# Altium PCB 191228 PCB.PcbDoc (part 3 of 3)
Units mil, origin at the board's own origin, x right, y up, seen from the top; angles counter-clockwise.
Board outline 5511.83 x 4586.63 mil, 4 copper layers (Top Layer, Int1 (GND), Int2 (PWR), Bottom Layer), stack 53.912 mil thick; 242 components, 136 nets, 757 pads, 363 vias.
Unrouted connection lines stored in the file: 11.
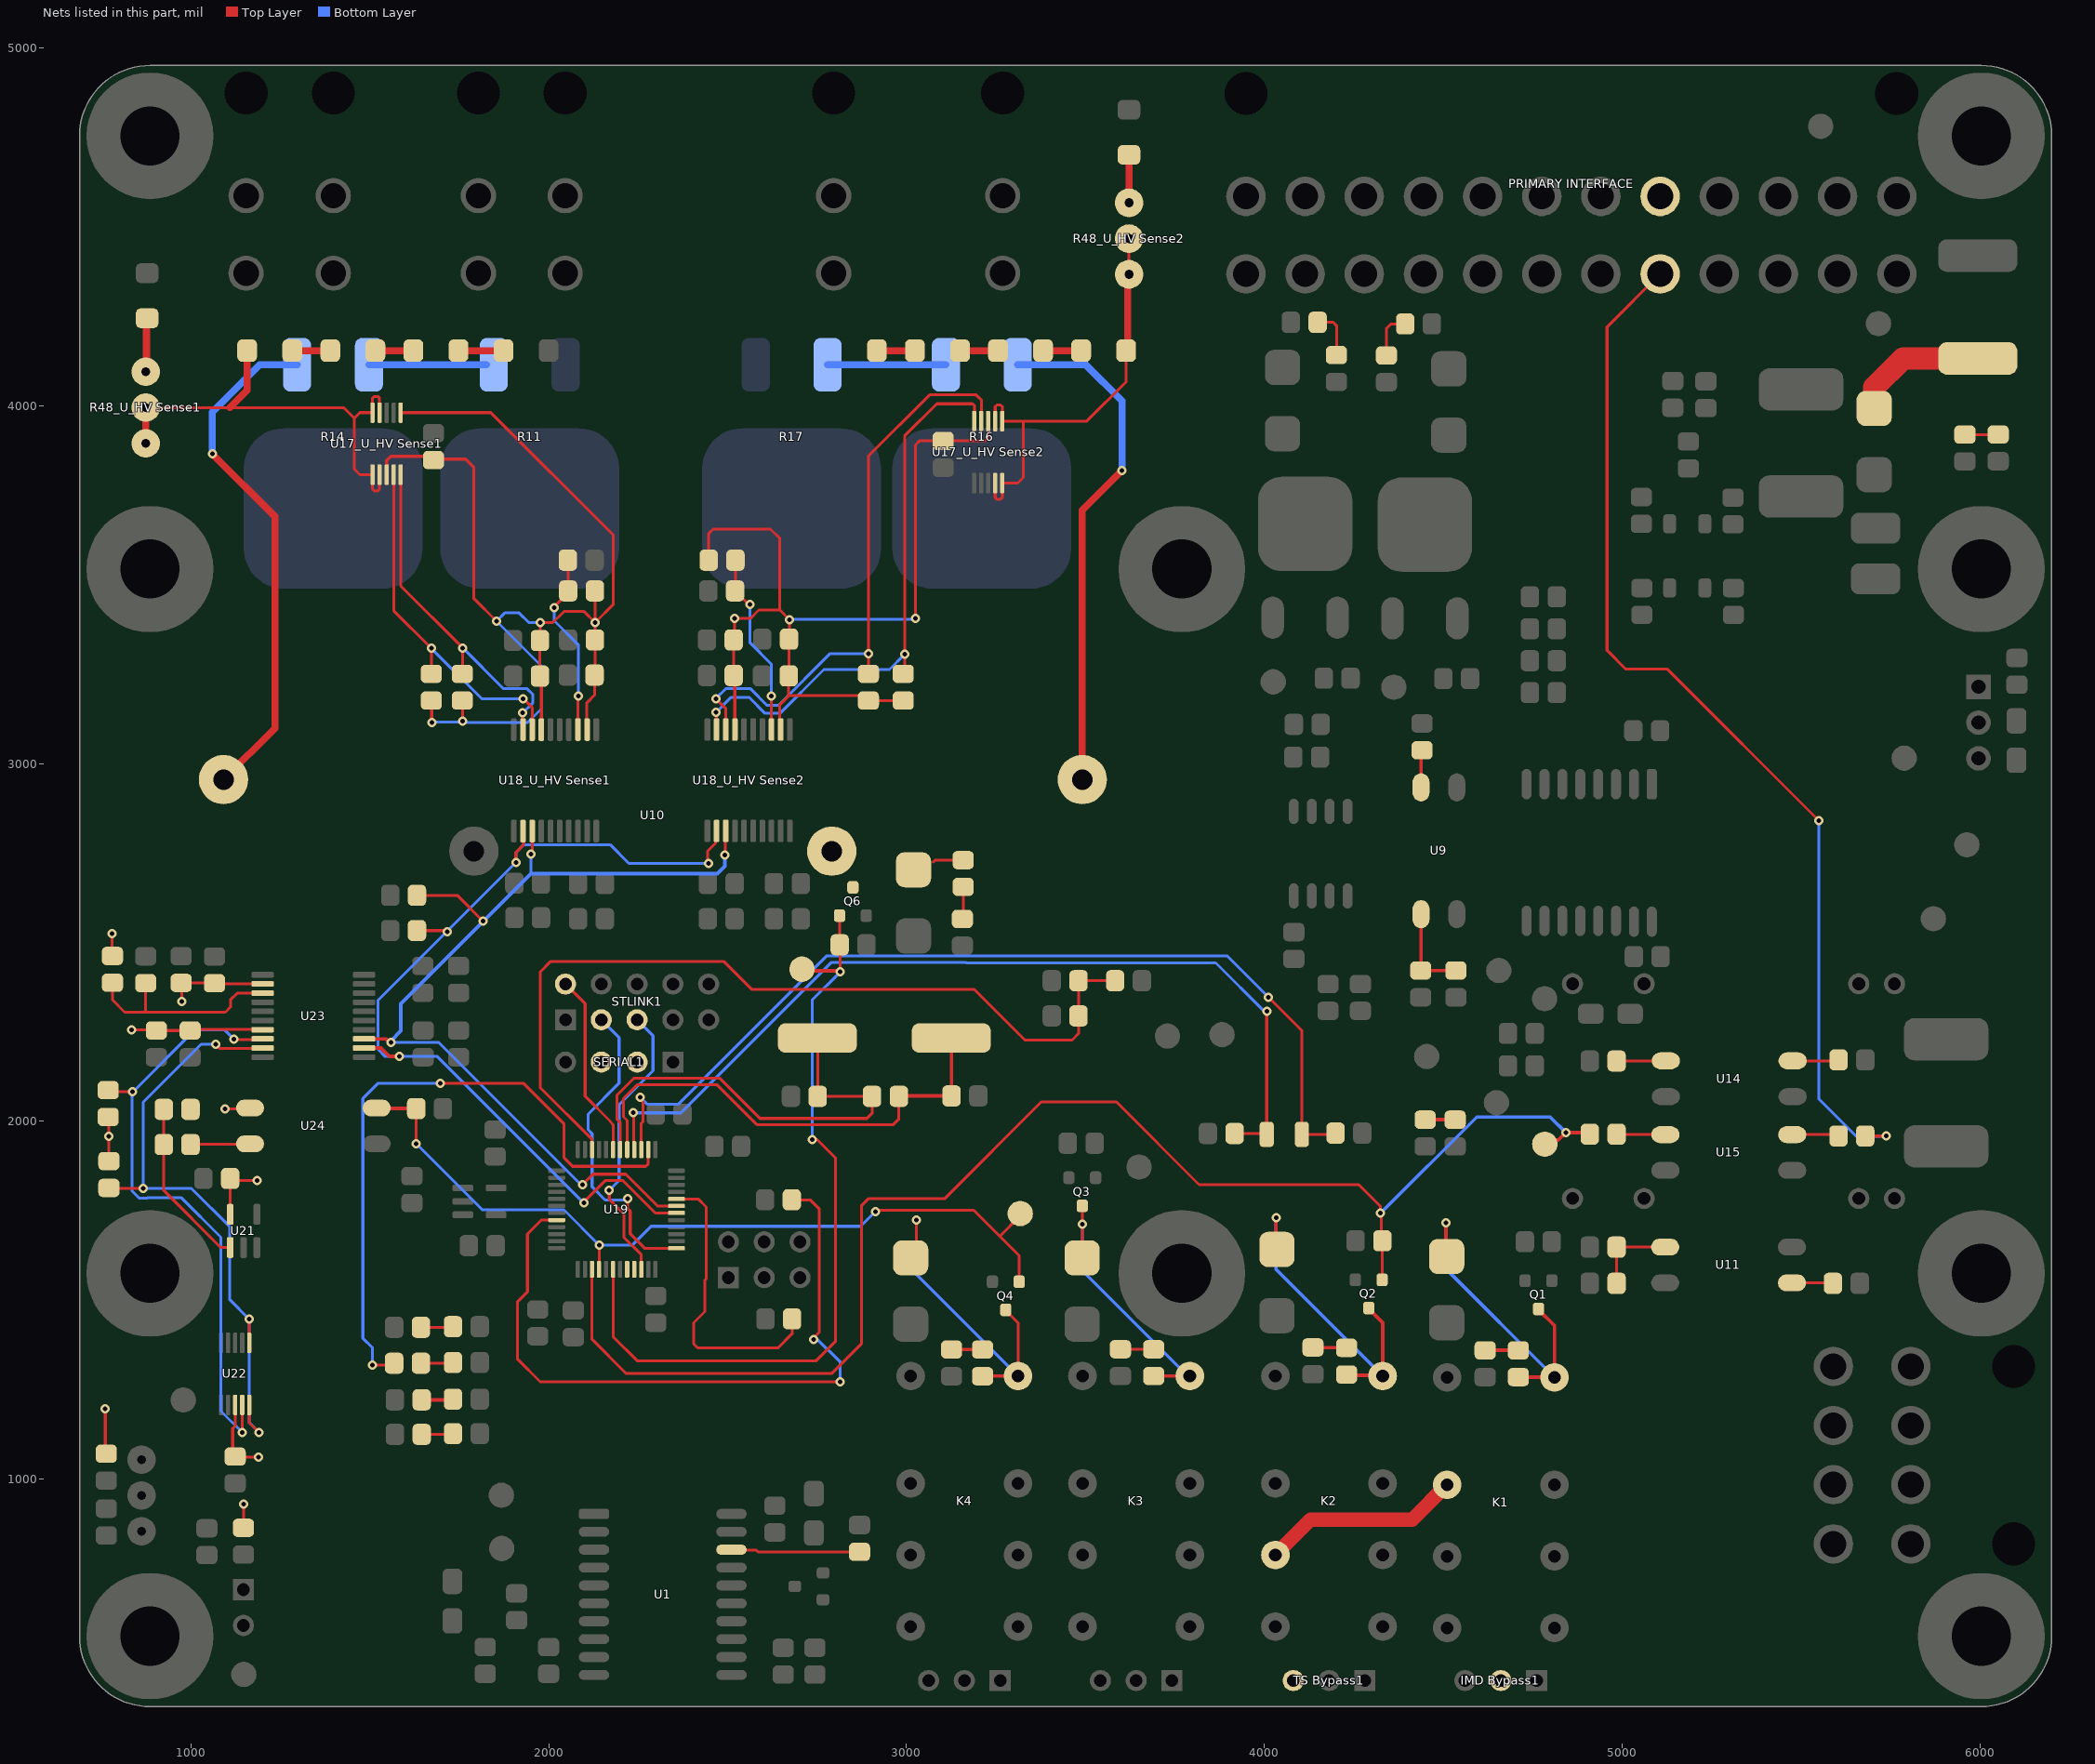
[diagram p5: the nets of this part, all layers, seen from the top]

## Via types
v1: diameter 26, hole 13, Top Layer to Bottom Layer, 363 vias

## Nets (pads, with @x,y where several pads share a name; then routed paths per layer and width w, separated by ;. In a path a pad name is that pad's centre, name@x,y a point inside that pad or via, vN(x,y) a via of type N, cw(c..) or ccw(c..) an arc to the next point about the centre after c; other vN are vias at no path point) (continued)
"NetCAN RX INDC1_K": "CAN RX INDC1.K" R58.2 | length 88.4
  Top Layer w8: R58.2@1645.2,1124.95 1730.69,1124.95 1732.76,1127.02
"NetCAN TX INDC1_K": "CAN TX INDC1.K" R57.2 | length 88.4
  Top Layer w10: R57.2@1645.2,1221.41 1730.69,1221.41 1732.76,1223.47
NetD1_A: D1.A F1.2 | length 383.2
  Top Layer w60: F1.2@5993.11,4132.87 F1.2@5994.09,4131.89
  Top Layer w62.99: D1.A@5704.72,3992.13 5704.72,4051.18 5785.43,4131.89 F1.2@5994.09,4131.89
NetD3_A: D3.A R6.1 | length 139.8
  Top Layer w8: R6.1@4149.04,4232.94 4192.26,4232.94 4202.76,4222.44 4202.76,4142.19 D3.A@4201.71,4141.15
NetD4_A: D4.A D5.K Q6.D U10.3 | length 86
  Top Layer w8: 3074.8,2724.41 3080.23,2729.84 D5.K@3158.51,2729.84
NetD5_A: D5.A R15.1 | length 90.5
  Top Layer w8: R15.1@3156.45,2565.43 3158.51,2567.49 D5.A@3158.51,2655.04
NetD7_A: D7.A R22.1 | length 132.8
  Top Layer w8: D7.A@4341.49,4140.23 4341.49,4215.5 4354.33,4228.35 R22.1@4393.7,4228.35
NetD8_A: D8.A K1.1 Q1.D R27.1 | length 964.6
  Top Layer w10: v1(4507.87,1716.54) 4507.87,1624.17 D8.A@4510,1622.04 ; R27.1@4710,1285 4710.45,1284.55 4810.57,1284.55 K1.1@4811.02,1284.1 4811.02,1428.83 4766.34,1473.5 Q1.D@4766.34,1475.47
  Bottom Layer w10: v1(4507.87,1716.54) 4507.87,1587.25 K1.1@4811.02,1284.1
NetD9_K: D9.K R27.2 | length 92.9
  Top Layer w10: D9.K@4617.1,1359.8 R27.2@4710,1359.8
NetD10_A: D10.A K2.1 Q2.D R32.1 | length 963.6
  Top Layer w10: v1(4033,1730) 4033,1644.17 D10.A@4035.43,1641.73 ; R32.1@4230.03,1292.13 4232.08,1290.08 4328.95,1290.08 K2.1@4331,1288.04 4331,1437.1 4291.96,1476.14 Q2.D@4291.96,1478.11
  Bottom Layer w10: v1(4033,1730) 4033,1586.04 K2.1@4331,1288.04
NetD11_K: D11.K R32.2 | length 94.4
  Top Layer w10: D11.K@4136.03,1367.93 4136.53,1367.43 4229.53,1367.43 R32.2@4230.03,1366.93
NetD12_A: D12.A K3.1 Q3.D R37.1 | length 798.3
  Top Layer w8: D12.A@3491.09,1618.11 3491.24,1618.26 v1(3491.24,1712) Q3.D@3491.24,1763.57 ; R37.1@3691.03,1288.13 3691.12,1288.04 K3.1@3791.91,1288.04
  Bottom Layer w8: v1(3491.24,1712) 3491.24,1582.9 3786.1,1288.04 K3.1@3791.91,1288.04
NetD13_K: D13.K R37.2 | length 93
  Top Layer w8: D13.K@3598.03,1362.93 R37.2@3691.03,1362.93
NetD14_A: D14.A K4.1 Q4.D R42.1 | length 965.4
  Top Layer w8: D14.A@3011.81,1618.11 3027.55,1633.85 v1(3027.55,1724.41) ; R42.1@3212.6,1287.4 3213.24,1288.04 K4.1@3311.89,1288.04 3311.89,1436.66 3277.72,1470.83 Q4.D@3277.72,1472.8
  Bottom Layer w8: v1(3027.55,1724.41) 3027.55,1572.37 K4.1@3311.89,1288.04
NetD15_K: D15.K R42.2 | length 86.6
  Top Layer w8: D15.K@3125.98,1362.2 R42.2@3212.6,1362.2
NetD16_K: D16.K R2.2 | length 93.3
  Top Layer w8: D16.K@5958.03,3918.93 6050.82,3918.93 R2.2@6051.18,3919.29
NetD17_K: D17.K R3.2 | length 83.7
  Top Layer w10: D17.K@4449.85,2004.45 R3.2@4533.51,2004.45
NetD18_K: D18.K R55.2 | length 90.4
  Top Layer w8: R55.2@1643.23,1424.17 1730.69,1424.17 D18.K@1732.76,1426.23
NetD19_K: D19.K R56.2 | length 90.4
  Top Layer w8: R56.2@1643.23,1323.77 1730.69,1323.77 D19.K@1732.76,1325.83
"NetIMD Bypass1_2": "IMD Bypass1.2" "TS Bypass1.3" K1.13 K2.11 | length 561.2
  Top Layer w40: K2.11@4031,788.04 4129.77,886.81 4413.73,886.81 K1.13@4511.02,984.1
NetR1_2: R1.2 U1.18 | length 360.4
  Top Layer w8: U1.18@2510.83,802.68 2512.33,801.18 2580.71,801.18 2585.63,796.26 R1.2@2868.57,796.26
NetR10_2: R10.2 R12.2 U9.3 | length 256.4
  Top Layer w10: U9.3@4438.17,2578.72 4438.17,2422.42 R12.2@4437.01,2421.26 R10.2@4535.43,2421.26
NetR11_1: R11.1 R14.2 | length 328.7
  Bottom Layer w20: R14.2@1498.03,4114.17 R11.1@1826.77,4114.17
NetR13_1: R13.1 U9.2 | length 105
  Top Layer w8: U9.2@4438.17,2933.05 4438.17,3034.15 R13.1@4440.95,3036.93
NetR14_1: R14.1 U10.1 | length 1450.6
  Top Layer w20: v1(1060,3865) 1235,3690 1235,3098.58 U10.1@1091.34,2954.92
  Bottom Layer w20: v1(1060,3865) 1060,3981.26 1192.91,4114.17 R14.1@1297.24,4114.17
NetR16_1: R16.1 R17.2 | length 330.7
  Bottom Layer w20: R17.2@2779.53,4114.17 R16.1@3110.24,4114.17
NetR16_2: R16.2 U10.4 | length 1437.1
  Top Layer w20: U10.4@3491.34,2954.92 3491.34,3707.87 v1(3602.36,3818.9)
  Bottom Layer w20: R16.2@3311.02,4114.17 3500.83,4114.17 3602.36,4012.64 v1(3602.36,3818.9)
NetR18_1: R18.1 R63.1 U21.1 | length 478.4
  Top Layer w8: R63.1@924.45,2033.31 R18.1@924.45,1934.88 924.45,1806.53 1083.98,1647 U21.1@1110,1647
NetR18_2: R18.2 U24.2 | length 167
  Top Layer w8: R18.2@999.25,1934.88 1000.32,1935.94 1164.29,1935.94 U24.2@1165.35,1937.01
NetR26_2: R26.2 U11.1 | length 115.1
  Top Layer w8: U11.1@5474.78,1548.31 5588.23,1548.31 R26.2@5589.43,1547.11
NetR28_2: R28.2 U14.3 | length 137.9
  Top Layer w8: R28.2@4984.62,2168.36 4985.11,2168.85 U14.3@5122.28,2168.85
NetR30_2: R30.2 U14.2 | length 129.5
  Top Layer w8: U14.2@5476.61,2168.85 5602.57,2168.85 R30.2@5605.1,2171.38
NetR31_2: R31.2 R36.2 U11.3 | length 237.2
  Top Layer w8: R36.2@4984.62,1547.14 R31.2@4984.62,1648.47 4984.79,1648.31 U11.3@5120.45,1648.31
NetR33_2: R33.2 U15.3 | length 136.9
  Top Layer w8: R33.2@4984.62,1963.84 4985.8,1962.66 U15.3@5121.03,1962.66
NetR35_1: R35.1 U15.2 | length 131
  Top Layer w8: U15.2@5475.36,1962.66 5601.03,1962.66 R35.1@5604.81,1958.87
"NetR44_U_HV Sense1_1": "R44_U_HV Sense1.1" "R45_U_HV Sense1.2" | length 106.3
  Top Layer w20: 1748.03,4153.54 1854.33,4153.54
"NetR44_U_HV Sense2_1": "R44_U_HV Sense2.1" "R45_U_HV Sense2.2" | length 106.3
  Top Layer w20: 2917.32,4153.54 3023.62,4153.54
"NetR45_U_HV Sense1_1": "R45_U_HV Sense1.1" "R46_U_HV Sense1.2" | length 106.3
  Top Layer w20: 1515.75,4153.54 1622.05,4153.54
"NetR45_U_HV Sense2_1": "R45_U_HV Sense2.1" "R46_U_HV Sense2.2" | length 106.3
  Top Layer w20: 3149.61,4153.54 3255.91,4153.54
"NetR46_U_HV Sense1_1": "R46_U_HV Sense1.1" "R47_U_HV Sense1.2" | length 106.3
  Top Layer w20: 1283.46,4153.54 1389.76,4153.54
"NetR46_U_HV Sense2_1": "R46_U_HV Sense2.1" "R47_U_HV Sense2.2" | length 106.3
  Top Layer w20: 3381.89,4153.54 3488.19,4153.54
"NetR47_U_HV Sense1_1": "R47_U_HV Sense1.1" "R48_U_HV Sense1.2" "R48_U_HV Sense1.3" "U17_U_HV Sense1.4" "U17_U_HV Sense1.5" "U17_U_HV Sense1.6" "U17_U_HV Sense1.7" | length 1342.9
  Top Layer w8: 874.02,3994.49 1109.49,3994.49 1426.77,3994.49 1456.69,3964.57 ; 1507.87,3980.32 1507.87,3986.28 ; 1527.56,3807.09 1527.56,3766.54 1522.87,3761.86 1512.56,3761.86 1507.87,3766.54 1507.87,3807.09 1472.44,3807.09 1456.69,3822.83 1456.69,3964.57 ; 1527.56,3980.32 1527.56,4020.86 1522.87,4025.54 1512.56,4025.54 1507.87,4020.86 1507.87,3986.28 ; 1456.69,3964.57 1472.44,3980.32 1501.91,3980.32 1507.87,3986.28
  Top Layer w20: 874.02,3894.49 874.02,3994.49 ; 1109.49,3994.49 1157.48,4042.48 1157.48,4153.54
"NetR47_U_HV Sense2_1": "R47_U_HV Sense2.1" "R48_U_HV Sense2.2" "R48_U_HV Sense2.3" "U17_U_HV Sense2.4" "U17_U_HV Sense2.5" "U17_U_HV Sense2.6" "U17_U_HV Sense2.7" | length 1227.7
  Top Layer w8: 3248.03,3783.46 3248.03,3742.92 3252.72,3738.24 3263.03,3738.24 3267.72,3742.92 3267.72,3783.46 3311.02,3783.46 3326.77,3799.21 3326.77,3956.69 ; 3248.03,3956.69 3248.03,3997.24 3252.72,4001.92 3263.03,4001.92 3267.72,3997.24 3267.72,3956.69 3326.77,3956.69 ; 3614.17,4153.54 3614.17,4066.93 3503.94,3956.69 3326.77,3956.69 ; 3622.05,4366.93 3622.05,4466.93
  Top Layer w20: 3614.17,4153.54 3618.11,4157.48 3618.11,4362.99 3622.05,4366.93
"NetR48_U_HV Sense1_1": "R48_U_HV Sense1.1" "R51_U_HV Sense1.2" | length 151.2
  Top Layer w20: 874.02,4094.49 875.98,4096.46 875.98,4242.13 877.95,4244.09
"NetR48_U_HV Sense2_1": "R48_U_HV Sense2.1" "R51_U_HV Sense2.2" | length 133.9
  Top Layer w20: 3622.05,4566.93 3622.05,4700.79
"NetR49_U_HV Sense1_1": "R49_U_HV Sense1.1" "U17_U_HV Sense1.10" "U18_U_HV Sense1.19" | length 994.1
  Top Layer w8: 1586.61,3807.09 1586.61,3496.06 v1(1759.84,3322.83) 1759.84,3251.5 1758.81,3250.47 ; v1(1927.03,3141.73) 1927.74,3141.03 1927.74,3095.19 1928.44,3094.49
  Bottom Layer w8: v1@1759.84,3318.9 v1(1759.84,3322.83) 1874.02,3208.66 1939.75,3208.66 1956.13,3192.28 1956.13,3169.91 1927.95,3141.73 v1(1927.03,3141.73)
"NetR49_U_HV Sense2_1": "R49_U_HV Sense2.1" "U17_U_HV Sense2.10" "U18_U_HV Sense2.19" | length 1624.3
  Top Layer w8: v1(2467.82,3142.42) 2468.56,3141.67 2468.56,3095.48 2469.31,3094.73 ; 2991.09,3250.47 2995,3254.38 v1(2995,3305) 2995,3915 3085,4005 3185,4005 3190,4000 3190,3957.72 3188.98,3956.69
  Bottom Layer w8: v1(2467.82,3142.42) 2510.41,3185 2560,3185 2605,3140 2646.82,3140 2769.32,3262.5 2952.5,3262.5 v1(2995,3305)
"NetR50_U_HV Sense1_1": "R50_U_HV Sense1.1" "U17_U_HV Sense1.9" "U18_U_HV Sense1.18" | length 1008.1
  Top Layer w8: 1566.93,3807.09 1566.93,3427.07 v1@1669.2,3324.8 ; 1672.2,3250.47 v1(1672.2,3321.8) ; v1(1929.13,3181.1) 1954.03,3156.19 1954.03,3094.49
  Bottom Layer w8: v1(1672.2,3321.8) 1812.9,3181.1 v1(1929.13,3181.1)
"NetR50_U_HV Sense2_1": "R50_U_HV Sense2.1" "U17_U_HV Sense2.9" "U18_U_HV Sense2.18" | length 1676.1
  Top Layer w8: v1(2467.32,3181.1) 2495.5,3152.92 2495.5,3095.34 2494.9,3094.73 ; 2893.7,3250.47 v1(2893.7,3307.09) 2893.7,3858.7 3065,4030 3195,4030 3210,4015 3210,3958.03 3208.66,3956.69
  Bottom Layer w8: v1(2467.32,3181.1) 2494.89,3208.66 2564.18,3208.66 2610.86,3161.98 2641.98,3161.98 2787.09,3307.09 v1(2893.7,3307.09)
NetR59_1: R59.1 U19.20 | length 2004.6
  Top Layer w8: U19.20@2022.69,1723.94 1979.94,1723.94 1940.94,1684.94 1940.94,1523.62 1913.39,1496.06 1913.39,1334.65 1976.38,1271.65 v1(2814.96,1271.65) ; R59.1@2679.6,1780.56 2680.64,1779.53 2732.28,1779.53 2755.91,1755.91 2755.91,1409.37 2740.16,1393.62 v1(2740.16,1389.76)
  Bottom Layer w8: v1(2740.16,1389.76) 2742.75,1392.36 2749.38,1392.36 2814.96,1326.77 v1(2814.96,1271.65)
NetR60_2: R60.2 U19.44 | length 827.1
  Top Layer w8: U19.44@2357.33,1782.99 2369.28,1782.99 2369.5,1782.77 2418.02,1782.77 2440.39,1760.4 2440.39,1559.68 2436.45,1555.75 2436.45,1467.94 2405.51,1437.01 2405.51,1377.95 2416.76,1366.7 2641.22,1366.7 2680.57,1406.05 R60.2@2680.57,1447.79
NetR66_1: R66.1 U22.1 U22.10 U23.19 | length 1794.9
  Top Layer w8: R66.1@771.03,1813.76 772.79,1812 v1(867,1812) ; v1(1070,2215) 1082,2203 1199.06,2203 U23.19@1200.79,2204.72 ; v1(1163,1447) 1163.19,1446.81 1163.19,1380.8 U22.1@1163.37,1380.61 ; U22.10@1163.37,1207.39 1163.37,1157.63 v1(1191,1130)
  Bottom Layer w8: v1(1070,2215) 1029,2215 867,2053 v1(867,1812) 1002,1812 1109,1705 1109,1501 v1(1163,1447) 1163,1158 v1(1191,1130)
NetR67_1: R67.1 U22.9 U23.18 | length 1746
  Top Layer w8: R67.1@768.97,2086.87 769.1,2087 773.1,2083 v1(837,2083) ; v1(1120,2230) 1122.34,2227.66 1198.13,2227.66 U23.18@1200.79,2230.32 ; U22.9@1143.69,1207.39 1143.84,1207.23 1143.84,1130.16 v1(1144,1130)
  Bottom Layer w8: v1(1120,2230) 1094,2256 1012,2256 836,2080 836,1804.82 855.82,1785 878.18,1785 879.18,1786 974,1786 1084,1676 1084,1190 v1(1144,1130)
NRST: STLINK1.2 U19.7 | length 517.7
  Top Layer w8: STLINK1.2@2047.24,2383.46 2102,2328.71 2102,2070.03 2172.66,1999.37 2172.66,1998.07 2180.17,1990.57 U19.7@2180.17,1920.79
PA9: SERIAL1.2
PA10: SERIAL1.3
PC13: R56.1 U19.2 | length 1828.1
  Top Layer w8: v1(1507.87,1318.9) 1563.55,1318.9 R56.1@1568.43,1323.77 ; v1(1696.85,2106.3) 1929.13,2106.3 2043.31,1992.13 2043.31,1897.64 2066.93,1874.02 2271.65,1874.02 2278.59,1880.95 U19.2@2278.59,1920.79
  Bottom Layer w8: v1(1507.87,1318.9) 1507.87,1366.57 1480.87,1393.57 1480.87,2063.55 1523.62,2106.3 v1(1696.85,2106.3)
"PCB TEMP": "PCB NTC1.2" C39.2 R54.1 U19.10 | length 2421.8
  Top Layer w8: U19.10@2121.11,1920.79 2121.11,1949.1 1977,2093.21 1977,2418 2006,2447 2489,2447 2567,2369 3189,2369 3331,2227 3463,2227 3480.92,2244.92 3480.92,2294.5 C39.2@3480.92,2392.92 R54.1@3583.28,2392.92
"PDOC OK (ISO)": "PDOC OK TP1.1" Q4.G R73.1 U19.28 U24.4 | length 2332.7
  Top Layer w8: v1(1629.92,1937) R73.1@1629.92,2035.43 ; U19.28@2140.8,1586.14 2141.73,1587.08 v1(2141.73,1653.54) ; v1(2913.38,1748.03) 2916.76,1751.41 3188.09,1751.41 3260.75,1678.75 ; Q4.G@3315.12,1551.54 3315.12,1624.38 3260.75,1678.75 ; 3318,1742 3318,1736 3260.75,1678.75
  Top Layer w10: U24.4@1519.68,2037.01 1521.26,2035.43 R73.1@1629.92,2035.43
  Bottom Layer w8: v1(1629.92,1937) 1814.53,1752.39 2042.88,1752.39 v1(2141.73,1653.54) 2233.47,1653.54 2286.45,1706.52 2871.87,1706.52 v1(2913.38,1748.03)
"Precharge Relay (ISO)": "PCH G TP1.1" Q6.G R19.2 U19.30 | length 2227.2
  Top Layer w8: U19.30@2180.17,1586.14 2180.17,1397.89 2247.35,1330.7 2748.02,1330.7 2801.46,1384.13 2801.46,1898.14 2750.78,1948.82 v1(2736.22,1948.82) ; Q6.G@2812.99,2574.8 2813.23,2574.57 2813.23,2503.94 2814.21,2502.95 v1@2814.21,2418.07
  Top Layer w10: 2708,2425 2712.62,2420.38 2811.9,2420.38 v1@2814.21,2418.07
  Bottom Layer w8: v1(2736.22,1948.82) 2736.22,2338.58 v1(2814.96,2417.32)
SCL: "U18_U_HV Sense1.2" "U18_U_HV Sense2.2" R70.1 U19.42 U23.2 | length 2749
  Top Layer w8: R70.1@1632.04,2532.98 1713.02,2532.98 v1(1717,2529) ; v1(1908.46,2723.43) 1908.46,2750.98 1929.33,2771.85 1929.33,2810.13 1928.44,2811.02 ; v1(2098.43,1771.65) 2098.43,1774.4 2158.11,1834.09 2208.03,1834.09 2298.5,1743.62 U19.42@2357.33,1743.62 ; v1(2447.24,2720.47) 2444.88,2722.83 2444.88,2755.91 2466.43,2777.46 2466.43,2808.39 2469.31,2811.27
  Top Layer w10: U23.2@1484.25,2204.72 1531.27,2204.72 1554.89,2181.1 v1(1582.68,2181.1)
  Bottom Layer w8: v1(2098.43,1771.65) 1688.98,2181.1 v1(1582.68,2181.1) 1543.31,2181.1 1523.62,2200.79 1523.62,2338.58 v1(1908.46,2723.43) 1909.45,2724.41 1909.45,2751.97 1930.48,2773 2171.88,2773 2224.41,2720.47 v1(2447.24,2720.47)
SDA: "U18_U_HV Sense1.3" "U18_U_HV Sense2.3" R71.1 U19.43 U23.3 | length 2709.1
  Top Layer w8: R71.1@1632.04,2631.4 1744.6,2631.4 v1(1817,2559) ; v1(1951,2746) 1954.03,2749.03 1954.03,2811.02 ; v1(2094.49,1822.83) 2123.74,1852.09 2215.49,1852.09 2304.27,1763.31 U19.43@2357.33,1763.31 ; v1(2492.09,2744.09) 2493.49,2745.5 2493.49,2809.86 2494.9,2811.27
  Top Layer w10: U23.3@1484.25,2230.31 1545.28,2230.31 1555.12,2220.47 v1(1559.06,2220.47)
  Bottom Layer w8: v1(1559.06,2220.47) 1692.91,2220.47 1816.93,2096.46 2019.68,1893.7 2090.55,1822.83 v1(2094.49,1822.83) ; 1951,2692.47 v1(1951,2746)
  Bottom Layer w10: v1(1559.06,2220.47) 1559.06,2224.41 1587.06,2252.41 1587.06,2328.53 1951,2692.47 2472,2692.47 2492.09,2712.56 v1(2492.09,2744.09)
SWCLK: STLINK1.3 U19.37 | length 890.6
  Top Layer w8: v1(2220.47,1783.46) 2220.47,1756.55 2228,1749.03 2228,1685.39 2268.19,1645.2 U19.37@2357.33,1645.2
  Bottom Layer w8: STLINK1.3@2147.24,2283.46 2196.85,2233.86 2196.85,2106.3 2110.24,2019.68 2110.24,1976.38 2121.49,1965.13 2121.49,1816.71 2158.11,1780.09 2217.09,1780.09 v1(2220.47,1783.46)
SWDIO: STLINK1.5 U19.34 | length 803.6
  Top Layer w8: v1(2169.29,1807.09) 2169.48,1806.89 2169.48,1782.09 2210,1741.57 2210,1675.83 2258.91,1626.92 U19.34@2258.91,1586.14
  Bottom Layer w8: v1(2169.29,1807.09) 2196.85,1834.65 2196.85,2046.06 2291.77,2140.98 2291.77,2238.94 STLINK1.5@2247.24,2283.46
"TS In": "PRIMARY INTERFACE.9"
"TS OK (ISO)": "TS OK TP1.1" Q2.G R33.1 R34.2 U19.27 | length 4099
  Top Layer w8: U19.27@2121.11,1586.14 2121.11,1390.7 2217.11,1294.7 2790.76,1294.7 2874.02,1377.95 2874.02,1763.78 2893.7,1783.46 3106.3,1783.46 3376.77,2053.94 3586.92,2053.94 3818.02,1822.83 4263.98,1822.83 4325,1761.81 v1(4325,1743) 4327.5,1740.5 4327.5,1686.67 4329.68,1684.49 4329.68,1557.17 Q2.G@4329.36,1556.85
  Top Layer w10: 4784,1936 4795.65,1947.65 4821.66,1947.65 v1(4842.52,1968.5) 4905.16,1968.5 R33.1@4909.82,1963.84 R33.1@4907.59,1961.61
  Bottom Layer w10: v1(4325,1743) 4594,2012 4799.02,2012 v1(4842.52,1968.5)
"TS Out": "PRIMARY INTERFACE.10" R35.2 | length 2970
  Top Layer w8: 5106.3,4368.11 4958,4219.81 4958,3316 5010.69,3263.31 5126.69,3263.31 v1(5550,2840) ; R35.2@5679.61,1958.87 5679.82,1958.66 v1(5738.19,1958.66)
  Bottom Layer w8: v1(5550,2840) 5550,2062.55 5653.89,1958.66 v1(5738.19,1958.66)
USBDM: U19.32
USBDP: U19.33
VDDISO: C53.2 C55.1 C56.2 C57.2 C58.2 C59.1 R62.2 R63.2 R64.2 R66.2 R67.2 R68.2 U21.5 U22.8 U23.12 U23.17 U24.1 | length 1495.8
  Top Layer w8: v1(761,1197) 761,1073.64 R64.2@763.78,1070.86 ; R67.2@768.97,2012.07 771.03,2010.01 v1(771.03,1958) R66.2@771.03,1888.56 ; v1(780,2525) 780,2462.96 R68.2@781.03,2461.93 ; v1(835,2255) 902.36,2255 C56.2@903.78,2253.58 C57.2@998.27,2253.58 1001.68,2257 1199.69,2257 U23.17@1200.79,2255.91 ; v1(975,2335) 975,2384.64 C59.1@972.97,2386.67 1065.26,2386.67 C58.2@1066.22,2385.71 1068.07,2383.86 U23.12@1200.79,2383.86 ; v1(1095,2035) 1163.35,2035 U24.1@1165.35,2037.01 ; U21.5@1110,1740 C53.2@1110,1840 1115,1835 v1(1185,1835) ; U22.8@1124,1207.39 1124,1148.18 1117,1141.18 1117,1070 C55.1@1124,1063 1126,1061 v1(1189,1061) ; R62.2@1147,863.8 1148,864.8 v1(1148,930)
"VDDISO_U_HV Sense1": "C30_U_HV Sense1.1" "C31_U_HV Sense1.2" "C32_U_HV Sense1.2" "C33_U_HV Sense1.2" "C34_U_HV Sense1.1" "R49_U_HV Sense1.2" "R50_U_HV Sense1.2" "R52_U_HV Sense1.2" "U17_U_HV Sense1.1" "U17_U_HV Sense1.8" "U18_U_HV Sense1.12" "U18_U_HV Sense1.17" | length 3523.8
  Top Layer w8: 1547.24,3807.09 1547.24,3846.46 1559.06,3858.27 1667.88,3858.27 1678.2,3847.95 1680.64,3850.39 1767.72,3850.39 1791.34,3826.77 1791.34,3460.63 v1(1854.33,3397.64) ; 1586.61,3980.32 1838.58,3980.32 2181.1,3637.8 2181.1,3444.88 v1(2129.92,3393.7) ; 1672.2,3175.67 1673.23,3174.64 v1(1673.23,3114.17) ; 1758.81,3175.67 1759.84,3174.64 v1(1759.84,3118.11) ; 1979.62,3094.49 1979.76,3094.62 1979.76,3239.95 1975.57,3244.13 1975.57,3343.57 1976.38,3344.38 v1(1976.38,3393.7) 2011.88,3393.7 2042.82,3424.64 2098.98,3424.64 v1(2129.92,3393.7) ; 2107.58,3094.49 2106.86,3095.21 2106.86,3169.85 2128.42,3191.42 2128.42,3246.98 2129.39,3247.94 2129.39,3345.18 2129.92,3345.72 v1(2129.92,3393.7) ; 2129.39,3482.19 2129.92,3481.65 v1(2129.92,3393.7)
  Bottom Layer w8: v1(1673.23,3114.17) 1675.2,3116.14 1757.87,3116.14 v1(1759.84,3118.11) 1763.22,3114.73 1941.5,3114.73 1980.32,3153.54 1980.32,3271.65 v1(1854.33,3397.64) 1877.39,3420.7 1917.45,3420.7 1944.45,3393.7 v1(1976.38,3393.7)
"VDDISO_U_HV Sense2": "C30_U_HV Sense2.1" "C31_U_HV Sense2.2" "C32_U_HV Sense2.2" "C33_U_HV Sense2.2" "C34_U_HV Sense2.1" "R49_U_HV Sense2.2" "R50_U_HV Sense2.2" "R52_U_HV Sense2.2" "U17_U_HV Sense2.8" "U18_U_HV Sense2.12" "U18_U_HV Sense2.17" | length 2719.7
  Top Layer w8: 2447.32,3567.96 2447.32,3642.32 2460,3655 2620,3655 2646.23,3628.77 2646.23,3428.57 ; 2520.49,3094.73 2520.49,3242.5 2517.24,3245.75 2517.24,3345.18 2515.75,3346.68 2519.68,3350.61 v1(2519.68,3405.51) 2564.18,3405.51 2587.24,3428.57 2646.23,3428.57 ; 2648.44,3094.73 2646.23,3096.95 2646.23,3164.73 2670.79,3189.28 ; 2991.09,3175.67 2893.7,3175.67 2880.09,3189.28 2670.79,3189.28 ; v1(3025,3405) 3025,3890 3036.23,3901.23 3102.79,3901.23 3219.69,3901.23 3228.35,3909.88 3228.35,3956.69 ; 2646.23,3428.57 v1(2673.23,3401.57) 2673.23,3348.74 2671.73,3347.25 2671.73,3245.86 2670.79,3244.92 2670.79,3189.28
  Bottom Layer w8: v1(2673.23,3401.57) 2674.94,3403.29 3023.29,3403.29 v1(3025,3405)
VSEL: R68.1 R69.2 U23.13 | length 597.7
  Top Layer w8: R68.1@781.03,2387.13 781.03,2338.97 815,2305 875,2305 ; R69.2@873.97,2386.17 873.97,2306.03 875,2305 ; U23.13@1200.79,2358.27 1129.69,2358.27 1111,2339.58 1111,2319 1097,2305 875,2305
"VSEL_U_HV Sense1": "R52_U_HV Sense1.1" "R53_U_HV Sense1.2" "U18_U_HV Sense1.13" | length 518.6
  Top Layer w8: v1(2015,3435) 2015,3436.83 2054.59,3476.42 2054.59,3567 2053.62,3567.96 ; 2081.99,3094.49 2082.33,3094.83 2082.33,3188.63 v1(2082.68,3188.98)
  Bottom Layer w8: v1(2015,3435) 2015.75,3434.25 2015.75,3398.82 2082.68,3331.89 v1(2082.68,3188.98)
"VSEL_U_HV Sense2": "R52_U_HV Sense2.1" "R53_U_HV Sense2.2" "U18_U_HV Sense2.13" | length 518.4
  Top Layer w8: 2522.12,3567.96 2522.12,3483.13 2521.18,3482.19 2521.46,3482.19 2558.77,3444.88 v1(2562.99,3444.88) ; v1(2622.05,3188.98) 2622.85,3188.17 2622.85,3094.73
  Bottom Layer w8: v1(2562.99,3444.88) 2562.99,3337.05 2622.05,3277.99 v1(2622.05,3188.98)
XTALA: C19.2 R21.2 U19.5 X1.2 | length 1358.6
  Top Layer w8: U19.5@2219.54,1920.79 2219.54,2002.11 2209.22,2012.43 2209.22,2063.55 2247.47,2101.8 2471.17,2101.8 2583.1,1989.87 2962.31,1989.87 2978.83,2006.38 R21.2@2978.83,2069.63
  Top Layer w10: R21.2@2978.83,2069.63 2980.06,2070.87 C19.2@3125.98,2070.87 3125.98,2231.71 X1.2@3125.19,2232.5
XTALB: C20.2 R21.1 U19.6 X1.1 | length 1303.1
  Top Layer w8: U19.6@2199.85,1920.79 2199.85,1996.34 2191.22,2004.98 2191.22,2073.11 2237.91,2119.8 2478.62,2119.8 2590.55,2007.87 2889.76,2007.87 2904.03,2022.14 R21.1@2904.03,2069.63 C20.2@2751.97,2069.63 2751.97,2231.71 X1.1@2751.18,2232.5
XTALC: C40.2 U19.3 X2.1 | length 2651.6
  Top Layer w8: v1(2255.91,2066.93) 2255.91,2062.06 2263.22,2054.75 2263.22,1998.78 2258.91,1994.47 U19.3@2258.91,1920.79 ; v1(4011.81,2346.46) 4105.21,2253.06 X2.1@4105.21,1963.39 4195.68,1963.39 C40.2@4199.15,1966.87
  Bottom Layer w8: v1(2255.91,2066.93) 2275.03,2047.8 2362.76,2047.8 2777.28,2462.32 3895.94,2462.32 v1(4011.81,2346.46)
XTALD: C41.2 U19.4 X2.2 | length 2541.6
  Top Layer w8: v1(2236.22,2023.62) 2237.72,2022.12 2237.72,1922.29 U19.4@2239.22,1920.79 ; C41.2@3917.18,1965.84 4004.34,1965.84 X2.2@4006.78,1963.39 4006.78,2300.3 4007.87,2301.39 v1(4007.87,2307.08)
  Bottom Layer w8: v1(2236.22,2023.62) 2370.07,2023.62 2790.78,2444.32 3164.73,2444.32 3166.42,2442.63 3864.46,2442.63 4000,2307.08 v1(4007.87,2307.08)
pads on no net: "AMS Bypass1.1" "HV BATTERY+." "HV BATTERY-." "HV IMD+." "HV IMD-." "HV MC+." "HV MC-." "IMD Bypass1.1" "IMD INTERFACE.5" "IMD INTERFACE.7" "IMD INTERFACE." "PDOC Bypass1.1" "PRIMARY INTERFACE." "TS Bypass1.1" "U17_U_HV Sense1.2" "U17_U_HV Sense2.2" "U18_U_HV Sense1.6" "U18_U_HV Sense1.15" "U18_U_HV Sense2.6" "U18_U_HV Sense2.15" K1.4 K1.6 K1.8 K1.9 K2.4 K2.6 K2.8 K2.9 K3.4 K3.6 K3.8 K3.9 K4.4 K4.6 K4.8 K4.9 R11. R14. R16. R17. STLINK1.4 STLINK1.6 STLINK1.9 STLINK1.10 U1.2 U1.14 U5.9 U5.11 U16.7 U19.11 U19.12 U19.13 U19.14 U19.15 U19.16 U19.17 U22.2 U22.6 U22.7 U23.6 U23.15

## Polygon pours and split planes (outlines as drawn)
GLV- on Top Layer "Top Layer-GLV-" (solid, remove dead copper, pour order 44): 2440.94,1023.62 2440.94,354.33 6200.79,354.33 6200.79,4940.94 6220.47,4960.63 3877.95,4960.63 3877.95,2874.02 5413.39,2874.02 5413.39,1023.62
12V/24V on Top Layer "Top Layer-12V/24V" (solid, pour order 42): 5551.18,3543.31 6062.99,3543.31 6062.99,3149.61 5551.18,3149.61
GLV- on Top Layer "Top Layer-GLV- 1" (solid, pour order 36): 6062.99,2007.87 6062.99,1732.28 5590.55,1732.28 5590.55,2007.87
12V/24V on Top Layer "Top Layer-12V/24V 1" (solid, pour order 34): 5590.55,2440.94 6062.99,2440.94 6062.99,2125.98 5590.55,2125.98
NetC21_2 on Top Layer "Top Layer-NetC21_2" (solid, pour order 32): 5354.33,3877.95 5826.77,3877.95 5826.77,3602.36 5354.33,3602.36
GLV- on Top Layer "Top Layer-GLV- 2" (solid, pour order 30): 5354.33,4212.6 5649.61,4212.6 5649.61,3937.01 5354.33,3937.01
"0V (ISO)" on Top Layer "Top Layer-0V (ISO)" (solid, remove dead copper, pour order 22): 1458.66,364.17 1460.63,366.14 1460.63,2834.65 3165.35,2834.65 3362.2,2637.8 5173.23,2637.8 5173.23,1259.84 2204.72,1259.84 2204.72,362.2
no net on Top Layer "Top Layer-No Net 2" (solid, pour order 20): 1458.66,364.17
"3.3V (ISO)" on Top Layer "Top Layer-3.3V (ISO)" (solid, pour order 18): 1799.21,1929.13 1799.21,1767.72 1952.76,1767.72 1952.76,1929.13
GNDISO on Top Layer "Top Layer-GNDISO" (solid, remove dead copper, pour order 12): 688.98,2637.8 1173.23,2637.8 1224.41,2586.61 1224.41,366.14 692.91,366.14
"AIR Power" on Top Layer "Top Layer-AIR Power" (solid, remove dead copper, pour order 8): 3877.95,4685.04 4685.04,4685.04 4685.04,4005.91 3877.95,4005.91
no net on Top Layer "Top Layer-No Net" (solid, pour order 6): 3964.57,4484.25
no net on Top Layer "Top Layer-No Net 1" (solid, pour order 2): 3897.64,4720.47
GLV- on Bottom Layer "Bottom Layer-GLV-" (solid, remove dead copper, pour order 46): 2440.94,1023.62 2440.94,354.33 6200.79,354.33 6200.79,4960.63 3858.27,4960.63 3858.27,2874.02 5413.39,2874.02 5413.39,1023.62
no net on Bottom Layer "Bottom Layer-No Net" (solid, pour order 38): 5590.55,3582.68
no net on Bottom Layer "Bottom Layer-No Net 1" (solid, pour order 26): 5334.65,4232.28
"0V (ISO)" on Bottom Layer "Bottom Layer-0V (ISO)" (solid, pour order 24): 1460.63,366.14 1460.63,2834.65 3165.35,2834.65 3362.2,2637.8 5173.23,2637.8 5173.23,1259.84 2204.72,1259.84 2204.72,362.2
GNDISO on Bottom Layer "Bottom Layer-GNDISO" (solid, remove dead copper, pour order 14): 688.98,2637.8 1173.23,2637.8 1228.35,2582.68 1228.35,366.14 696.85,366.14
GNDISO on Int1 (GND) (split plane): 1224.32,2584.9 1224.32,1677.16 1224.32,384.26 885.83,384.26 885.13,384.19 874.26,384.55 862.74,385.68 851.32,387.57 840.05,390.19 828.98,393.55 818.15,397.63 807.61,402.41 797.4,407.86 787.57,413.97 778.16,420.71 769.22,428.06 760.77,435.97 752.86,444.41 745.52,453.36 738.78,462.77 732.67,472.6 727.21,482.8 722.43,493.34 718.36,504.18 715,515.25 712.37,526.52 710.48,537.94 709.35,549.46 708.99,560.33 709.06,561.02 709.06,2637.7 1171.51,2637.7
GLV- on Int1 (GND) (split plane): 6015.5,4930.41 6027.02,4929.28 6038.44,4927.39 6049.71,4924.77 6060.79,4921.41 6071.62,4917.33 6082.16,4912.55 6092.36,4907.1 6102.19,4900.99 6111.6,4894.25 6120.55,4886.9 6128.99,4878.99 6136.9,4870.55 6144.25,4861.6 6150.99,4852.19 6157.1,4842.36 6162.55,4832.16 6167.33,4821.62 6171.41,4810.79 6174.77,4799.71 6177.39,4788.44 6179.28,4777.02 6180.41,4765.5 6180.77,4754.63 6180.7,4753.94 6180.7,561.02 6180.77,560.32 6180.41,549.46 6179.28,537.94 6177.39,526.52 6174.77,515.25 6171.41,504.18 6167.33,493.34 6162.55,482.8 6157.1,472.6 6150.99,462.77 6144.25,453.36 6136.9,444.41 6128.99,435.97 6120.55,428.06 6111.6,420.71 6102.19,413.97 6092.36,407.86 6082.16,402.41 6071.62,397.63 6060.79,393.55 6049.71,390.19 6038.44,387.57 6027.02,385.68 6015.5,384.55 6004.63,384.19 6003.94,384.26 2441.04,384.26 2441.04,1023.53 5291.34,1023.53 5300.61,1023.9 5309.83,1024.99 5318.93,1026.8 5327.86,1029.32 5336.57,1032.53 5345,1036.41 5353.1,1040.95 5360.82,1046.11 5368.1,1051.85 5374.92,1058.15 5381.22,1064.97 5386.97,1072.26 5392.12,1079.97 5396.66,1088.07 5400.54,1096.5 5403.75,1105.21 5406.27,1114.14 5408.08,1123.24 5409.18,1132.46 5409.54,1141.73 5409.54,2755.91 5409.18,2765.18 5408.08,2774.4 5406.27,2783.5 5403.75,2792.43 5400.54,2801.14 5396.66,2809.57 5392.12,2817.67 5386.97,2825.38 5381.22,2832.67 5374.92,2839.49 5368.1,2845.79 5360.82,2851.53 5353.1,2856.69 5345,2861.22 5336.57,2865.11 5327.86,2868.32 5318.93,2870.84 5309.83,2872.65 5300.61,2873.74 5291.34,2874.11 3887.89,2874.11 3887.89,4930.7 6003.94,4930.7 6004.63,4930.77
"0V (ISO)" on Int1 (GND) (split plane): 3325.87,2672.32 3332.68,2666.02 3339.97,2660.28 3347.69,2655.12 3355.79,2650.59 3364.22,2646.7 3372.92,2643.49 3381.86,2640.97 3390.96,2639.16 3400.17,2638.07 3409.45,2637.7 5173.14,2637.7 5173.14,1259.93 2322.83,1259.93 2313.56,1259.57 2304.34,1258.48 2295.24,1256.67 2286.31,1254.15 2277.6,1250.94 2269.17,1247.05 2261.07,1242.52 2253.36,1237.36 2246.07,1231.61 2239.25,1225.31 2232.95,1218.5 2227.21,1211.21 2222.05,1203.49 2217.52,1195.39 2213.63,1186.97 2210.42,1178.26 2207.9,1169.33 2206.09,1160.22 2205,1151.01 2204.63,1141.73 2204.71,1139.76 2204.63,1137.8 2204.63,384.26 1460.72,384.26 1460.72,1677.16 1460.72,2633.86 1460.72,2834.55 3163.64,2834.55
VDDISO on Int2 (PWR) (split plane): 1224.32,2584.9 1224.32,1677.16 1224.32,384.26 885.83,384.26 885.13,384.19 874.26,384.55 862.74,385.68 851.32,387.57 840.05,390.19 828.98,393.55 818.15,397.63 807.61,402.41 797.4,407.86 787.57,413.97 778.16,420.71 769.22,428.06 760.77,435.97 752.86,444.41 745.52,453.36 738.78,462.77 732.67,472.6 727.21,482.8 722.43,493.34 718.36,504.18 715,515.25 712.37,526.52 710.48,537.94 709.35,549.46 708.99,560.33 709.06,561.02 709.06,2637.7 1171.51,2637.7
"5V (ISO)" on Int2 (PWR) (split plane): 3325.87,2672.32 3332.68,2666.02 3339.97,2660.28 3347.69,2655.12 3355.79,2650.59 3364.22,2646.7 3372.92,2643.49 3381.86,2640.97 3390.96,2639.16 3400.17,2638.07 3409.45,2637.7 5173.14,2637.7 5173.14,1259.93 2322.83,1259.93 2313.56,1259.57 2304.34,1258.48 2295.24,1256.67 2286.31,1254.15 2277.6,1250.94 2269.17,1247.05 2261.07,1242.52 2253.36,1237.36 2246.07,1231.61 2239.25,1225.31 2232.95,1218.5 2227.21,1211.21 2222.05,1203.49 2217.52,1195.39 2213.63,1186.97 2210.42,1178.26 2207.9,1169.33 2206.09,1160.22 2205,1151.01 2204.63,1141.73 2204.71,1139.76 2204.63,1137.79 2204.63,384.26 1460.72,384.26 1460.72,1677.16 1460.72,2633.86 1460.72,2834.55 3163.64,2834.55
5V on Int2 (PWR) (split plane): 6015.5,4930.41 6027.02,4929.28 6038.44,4927.39 6049.71,4924.77 6060.79,4921.41 6071.62,4917.33 6082.16,4912.55 6092.36,4907.1 6102.19,4900.99 6111.6,4894.25 6120.55,4886.9 6128.99,4878.99 6136.9,4870.55 6144.25,4861.6 6150.99,4852.19 6157.1,4842.36 6162.55,4832.16 6167.33,4821.62 6171.41,4810.79 6174.77,4799.71 6177.39,4788.44 6179.28,4777.02 6180.41,4765.5 6180.77,4754.63 6180.7,4753.94 6180.7,561.02 6180.77,560.32 6180.41,549.46 6179.28,537.94 6177.39,526.52 6174.77,515.25 6171.41,504.18 6167.33,493.34 6162.55,482.8 6157.1,472.6 6150.99,462.77 6144.25,453.36 6136.9,444.41 6128.99,435.97 6120.55,428.06 6111.6,420.71 6102.19,413.97 6092.36,407.86 6082.16,402.41 6071.62,397.63 6060.79,393.55 6049.71,390.19 6038.44,387.57 6027.02,385.68 6015.5,384.55 6004.63,384.19 6003.94,384.26 2441.04,384.26 2441.04,1023.53 5291.34,1023.53 5300.61,1023.9 5309.83,1024.99 5318.93,1026.8 5327.86,1029.32 5336.57,1032.53 5345,1036.41 5353.1,1040.95 5360.82,1046.11 5368.1,1051.85 5374.92,1058.15 5381.22,1064.97 5386.97,1072.26 5392.12,1079.97 5396.66,1088.07 5400.54,1096.5 5403.75,1105.21 5406.27,1114.14 5408.08,1123.24 5409.18,1132.46 5409.54,1141.73 5409.54,2755.91 5409.18,2765.18 5408.08,2774.4 5406.27,2783.5 5403.75,2792.43 5400.54,2801.14 5396.66,2809.57 5392.12,2817.67 5386.97,2825.38 5381.22,2832.67 5374.92,2839.49 5368.1,2845.79 5360.82,2851.53 5353.1,2856.69 5345,2861.22 5336.57,2865.11 5327.86,2868.32 5318.93,2870.84 5309.83,2872.65 5300.61,2873.74 5291.34,2874.11 3887.89,2874.11 3887.89,4930.7 6003.94,4930.7 6004.63,4930.77
"3.3V (ISO)" on Int2 (PWR) (split plane): 2546.08,2387.65 2546.08,1531.64 2447.69,1433.25 1821.99,1433.25 1773.8,1481.44 1773.8,1771.65 1773.8,1960.49 1914.51,2101.2 2198.82,2101.2 2200.77,2101.59 2202.42,2102.69 2210.3,2110.57 2211.4,2112.22 2211.79,2114.17 2211.79,2410.29 2244.24,2442.74 2491,2442.74

## Keep-outs
Keep-Out Layer:
  the board outline again, w10

## Other copper
Top Layer:
  rectangle net NetD4_A: 2748.03,2618.11 3106.3,2799.21
  rectangle net GLV-: 4437.01,3283.46 4602.36,3480.32
  rectangle net AIR+: 4299.21,3527.56 4602.36,3976.38
  rectangle net AIR-: 3964.57,3527.56 4267.72,3976.38
  rectangle net GLV-: 4102.36,3283.46 4267.72,3480.32
Int1 (GND) (plane layer: these items are gaps in the copper):
  region: 700.79,2759.84 705.22,2755.41 1220.96,2755.41 1220.96,2799.7 1374.02,2952.76 3212.6,2952.76 3409.45,2755.91 3769.69,2755.91 3769.69,4950.8 3751.98,4968.5 700.79,4968.5
  lines w236.22: 688.98,2755.91 1125.98,2755.91 1196.85,2755.91 1197.34,2755.41 1220.96,2755.41 1342.52,2633.86 ; 1177.17,2755.91 1374.02,2952.76 3212.6,2952.76 3409.45,2755.91 3769.69,2755.91 ; 1342.52,366.14 1342.52,1677.16 1342.52,2633.86 ; 1342.52,2921.26 1342.52,2633.86 ; 2303.15,2952.76 2303.15,4968.5 ; 2322.83,366.14 2322.83,1137.8 ; 2322.83,1141.73 5291.34,1141.73 5291.34,2755.91 3769.69,2755.91 ; 3769.68,4960.63 3769.69,2755.91
Int2 (PWR) (plane layer: these items are gaps in the copper):
  region: 700.79,2759.84 705.22,2755.41 1220.96,2755.41 1220.96,2799.7 1374.02,2952.76 3212.6,2952.76 3409.45,2755.91 3769.69,2755.91 3769.69,4950.8 3751.98,4968.5 700.79,4968.5
  lines w10: 1768.7,1479.33 1768.7,1771.65 1768.7,1962.6 1912.4,2106.3 2198.82,2106.3 2206.69,2114.17 2206.69,2412.4 2242.13,2447.83 2493.11,2447.83 2551.18,2389.76 2551.18,1529.53 2449.8,1428.15 1819.88,1428.15 1768.7,1479.33
  lines w236.22: 688.98,2755.91 1125.98,2755.91 1196.85,2755.91 1197.34,2755.41 1220.96,2755.41 1342.52,2633.86 ; 1177.17,2755.91 1374.02,2952.76 3212.6,2952.76 3409.45,2755.91 3769.69,2755.91 ; 1342.52,366.14 1342.52,1677.16 1342.52,2633.86 ; 1342.52,2921.26 1342.52,2633.86 ; 2303.15,2952.76 2303.15,4968.5 ; 2322.83,366.14 2322.83,1137.79 ; 2322.83,1141.73 5291.34,1141.73 5291.34,2755.91 3769.69,2755.91 ; 3769.68,4960.63 3769.69,2755.91

## Silkscreen, mask and mechanical layers (free items; w line width, h text height)
Top Overlay:
  lines w236.22: 688.98,2755.91 1125.98,2755.91 1196.85,2755.91 1197.34,2755.41 1220.96,2755.41 1342.52,2633.86 1342.52,1606.3 1342.52,366.14 ; 1177.17,2755.91 1374.02,2952.76 3212.6,2952.76 3409.45,2755.91 3769.69,2755.91 ; 1342.52,2606.3 1342.52,2893.7 ; 2303.15,2952.76 2303.15,4968.5 ; 2322.83,366.14 2322.83,1137.8 ; 2322.83,1141.73 5291.34,1141.73 5291.34,2755.91 3769.69,2755.91 ; 3769.68,4960.63 3769.69,2755.91
  text "CAN TERM" at 4846.61,4135.98 h60

## Dimensions
885.83,4950.8 to 885.83,364.16 on Drill Drawing
688.97,4753.94 to 6200.8,4753.94 on Drill Drawing